# Altium PCB Copy of EXP_V111.PcbDoc (part 1 of 3)
Units mm, origin at the board's own origin, x right, y up, seen from the top; angles counter-clockwise.
Board outline 86 x 86 mm, 4 copper layers (Top Layer, Mid-Layer 1, Mid-Layer 2, Bottom Layer), stack 1.584 mm thick; 340 components, 283 nets, 1185 pads, 448 vias.
Unrouted connection lines stored in the file: 498.
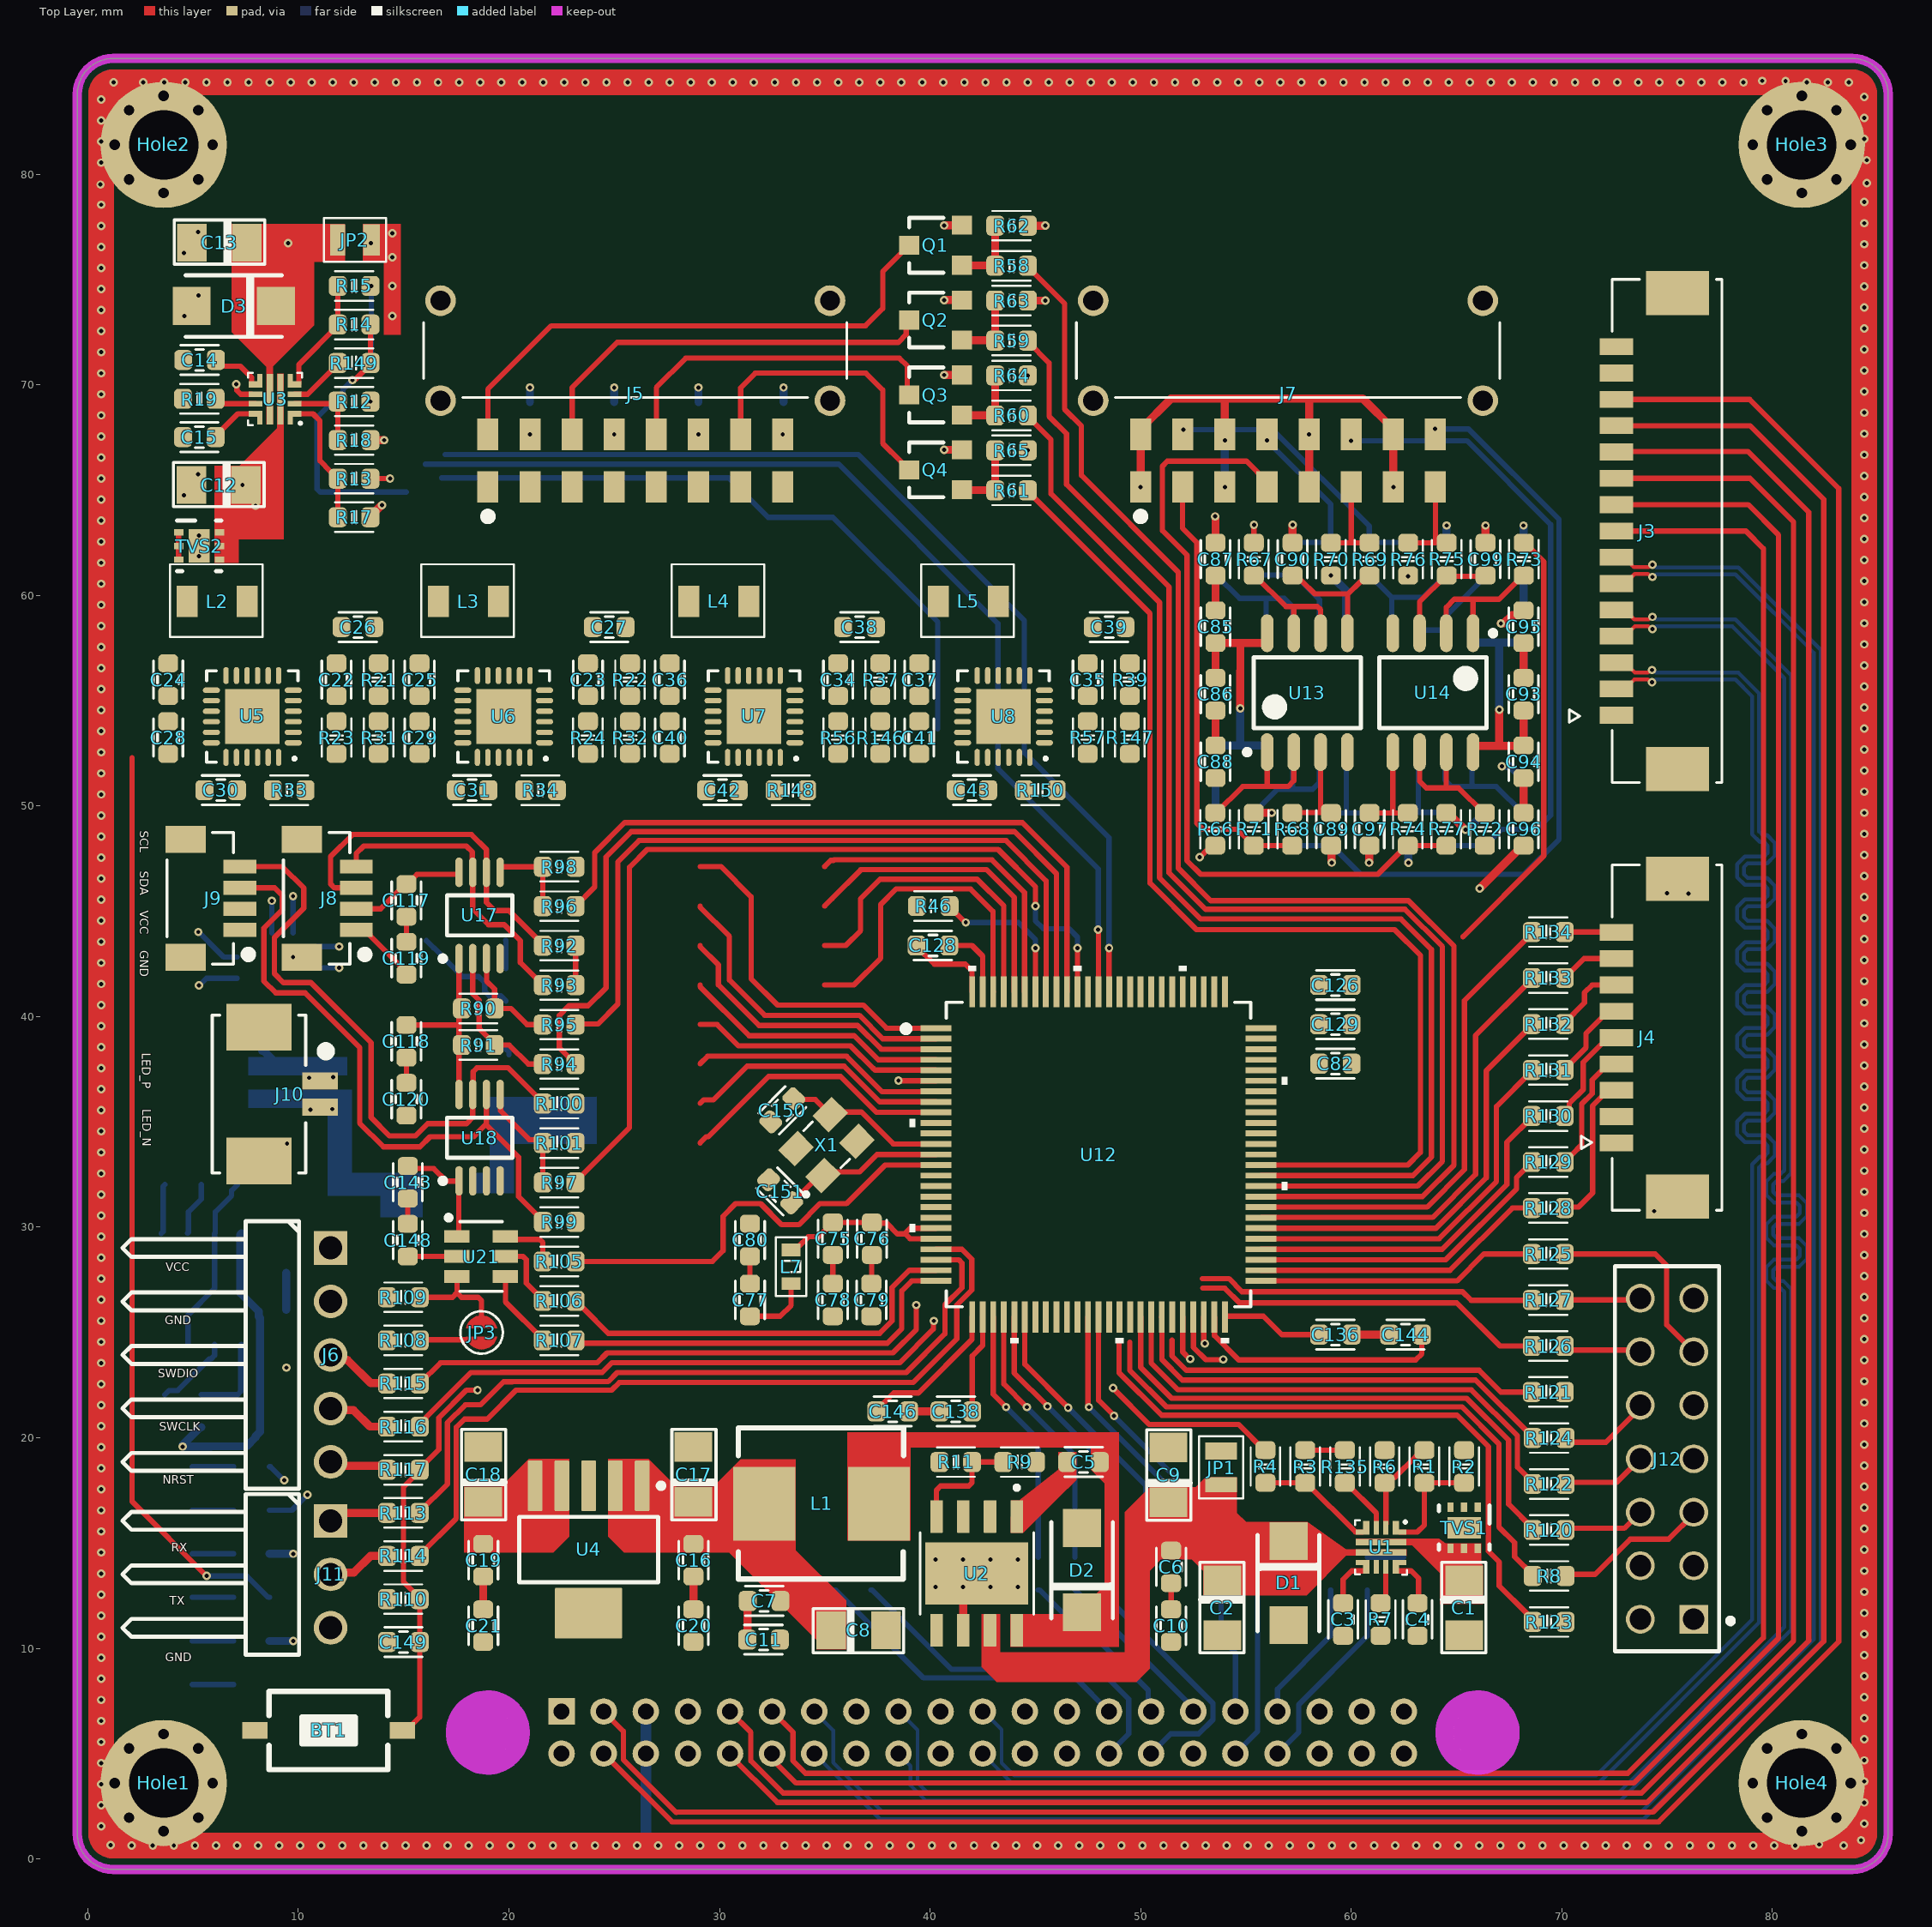
[diagram p0: Top Layer view]
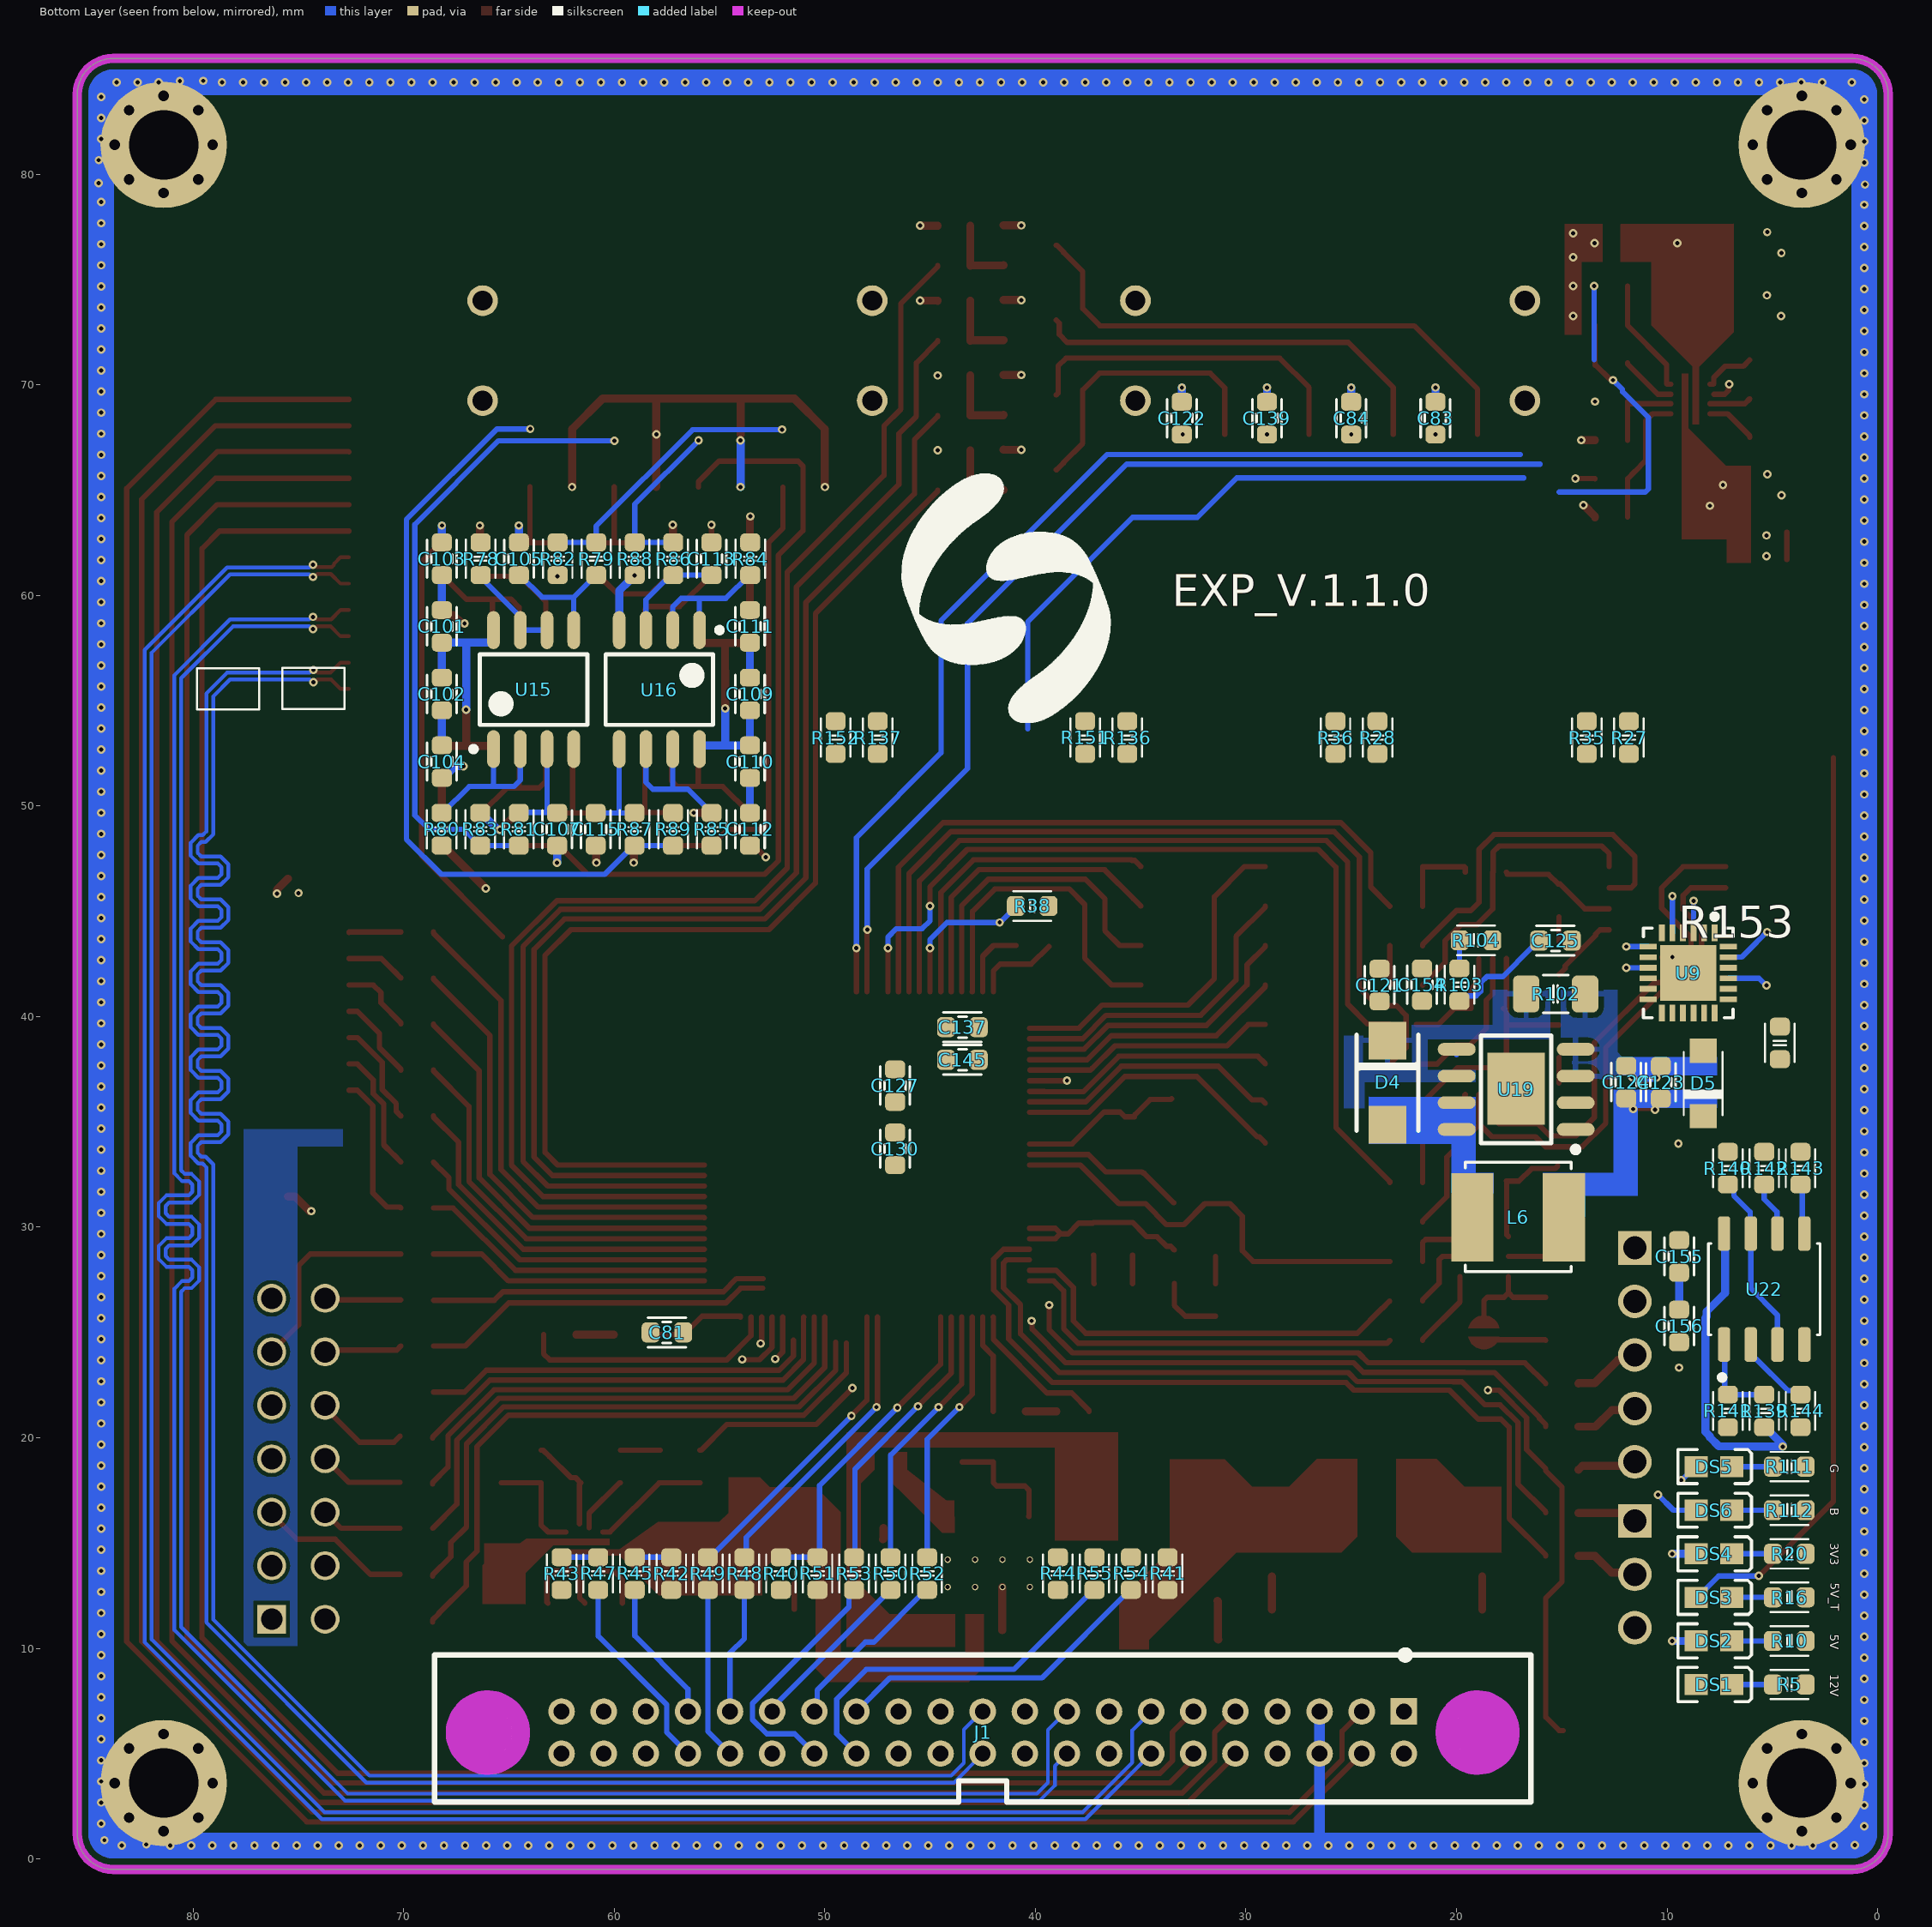
[diagram p1: Bottom Layer view, seen from below]
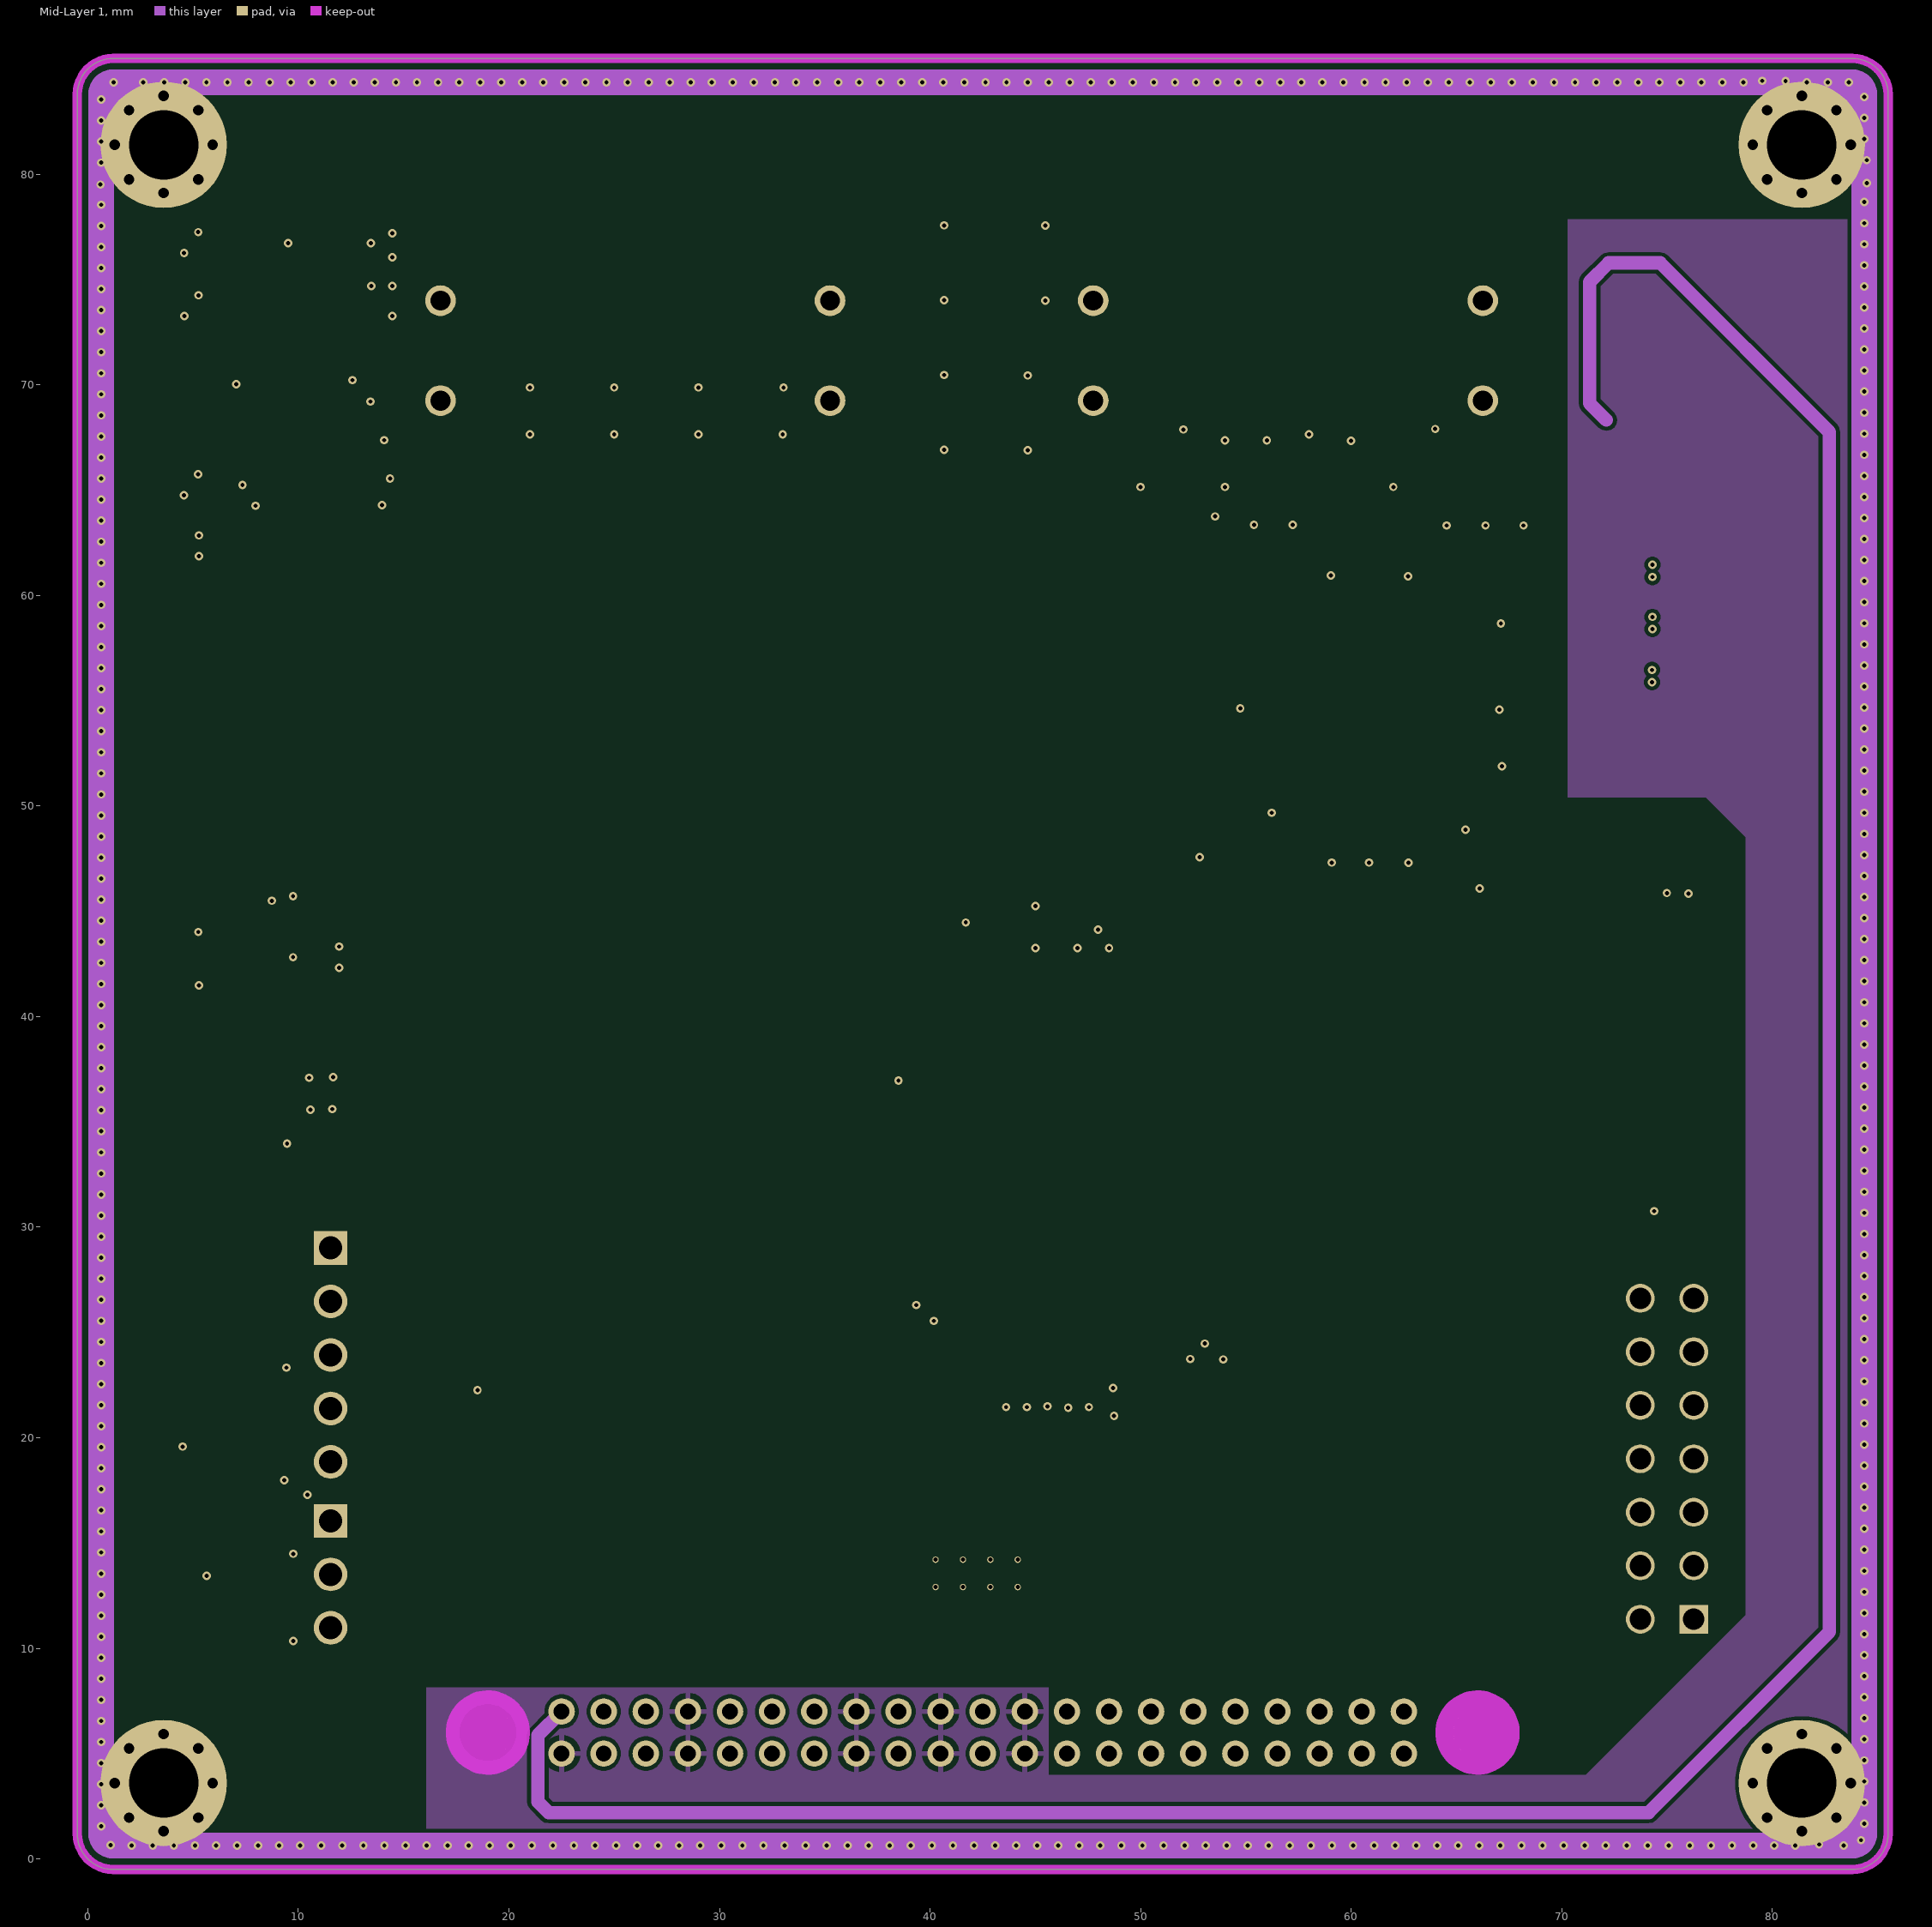
[diagram p2: Mid-Layer 1]
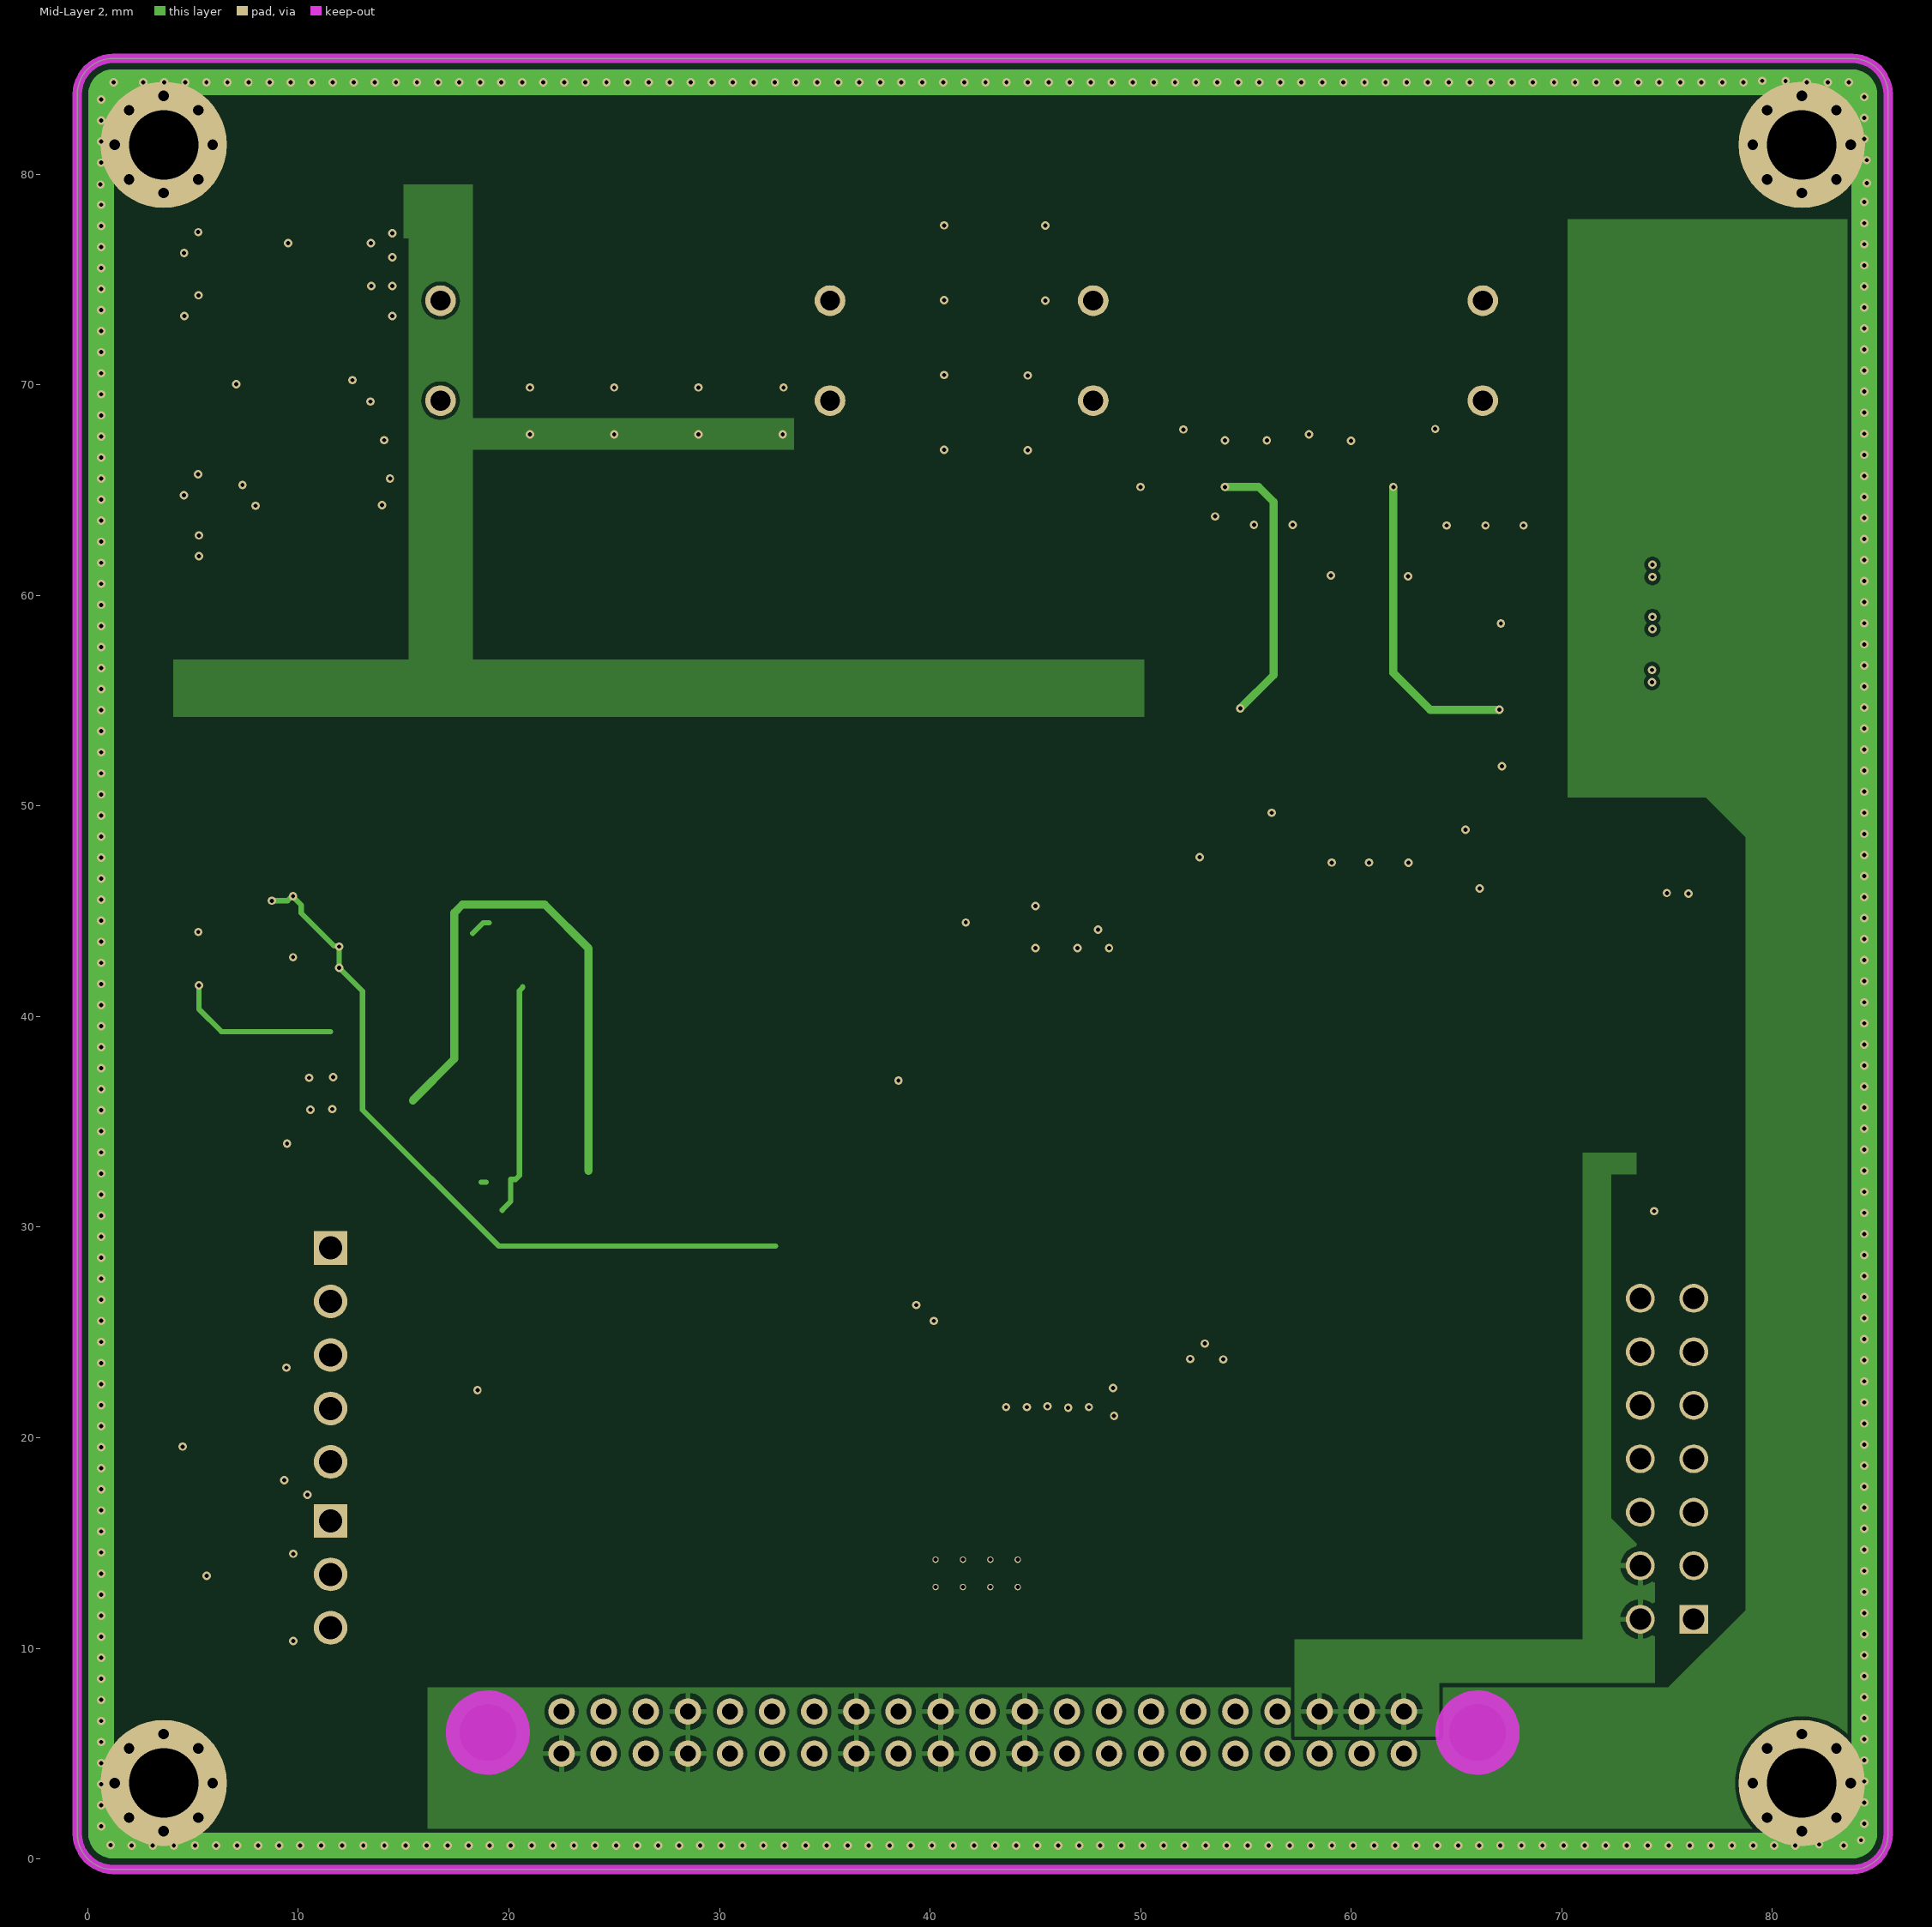
[diagram p3: Mid-Layer 2]

## Layer stack, top to bottom
Top Solder: solder mask 0.012, SM-002, Dk 4
Top Layer: signal copper 0.04
Dielectric 1: prepreg 0.2, PP-022, Dk 4.5
Mid-Layer 1: signal copper 0.032
Dielectric2: core 1.04, Core-042, Dk 4.6
Mid-Layer 2: signal copper 0.032
Dielectric3: prepreg 0.2, PP-022, Dk 4.5
Bottom Layer: signal copper 0.04
Bottom Solder: solder mask 0.012, SM-002, Dk 4

## Board outline
1.2,-0.5 cw(c1.2,1.2) -0.5,1.2 -0.5,83.8 cw(c1.2,83.8) 1.197,85.5 1.202,85.5 83.799,85.5 83.804,85.5 cw(c83.8,83.8) 85.5,83.803 85.5,83.798 85.5,1.2 cw(c83.8,1.2) 83.8,-0.5

## Design rules (kind name [scope] priority, off if disabled: settings)
Clearance [NOT InNet('PROTECT_EMI') and NOT OnLayer('Keep-Out Layer') vs not OnLayer('Keep-out Layer')] p1: gap=0.178 ignorepadtopadclearanceinfootprint=TRUE except(0.15: Arc-Arc Arc-Track Track-Track)
DiffPairsRouting [InDifferentialPairClass('DIF100')] p1: maxlimit=0.15 minlimit=0.127 mostfreqgap=0.15 toplayer_mingap=0.15 toplayer_minwidth=0.18 toplayer_maxwidth=0.18 toplayer_prefwidth=0.18 midlayer1_maxgap=0.127 midlayer1_prefgap=0.127 midlayer1_minwidth=0.071 midlayer1_maxwidth=0.071 midlayer1_prefwidth=0.071 midlayer2_maxgap=0.127 midlayer2_prefgap=0.127 midlayer2_minwidth=0.071 midlayer2_maxwidth=0.071 midlayer2_prefwidth=0.071 bottomlayer_mingap=0.15 bottomlayer_minwidth=0.18 bottomlayer_maxwidth=0.18 bottomlayer_prefwidth=0.18 impedanceprofiledriven=TRUE impedanceprofileid={F898C893-B88C-4CB9-82E4-B530A9EF1E47} impedanceprofilevalue=100.000000 maxuncoupledlength=12.7
HoleSize [All] p1: absolutevalues=TRUE maxlimit=4 minlimit=0.025 maxpercent=80.000 minpercent=20.000
Length [InNetClass('USB_DATA')] p1: maxlimit=10 minlimit=0 usedelayunits=TRUE mindelay=84.500000 maxdelay=84.500000
MatchedLengths MatchedLengths_1 [InDifferentialPairClass('DIF100')] p1: tolerance=25.4 checknetsindiffpair=FALSE checkdiffpairvsdiffpair=TRUE checkxsignals=TRUE checkothers=TRUE usedelayunits=TRUE delaytolerance=20.000000
MatchedLengths [InAnyDifferentialPair] p2: tolerance=25.4 checknetsindiffpair=TRUE checkdiffpairvsdiffpair=FALSE checkxsignals=FALSE checkothers=FALSE usedelayunits=TRUE delaytolerance=5.000000
MinimumSolderMaskSliver [All] p1: minsoldermaskwidth=0.14
PolygonConnect [All] p1: connectstyle=Relief reliefconductorwidth=0.254 reliefentries=4 polygonreliefangle="90 Angle" airgapwidth=0.254
RoutingVias [All] p1: holewidth=0.2 width=0.4 viastyle="Through Hole" minholewidth=0.2 minwidth=0.4 maxholewidth=0.2 maxwidth=0.4
SilkToSilkClearance [All] p1: silktosilkclearance=0.203
SilkToSolderMaskClearance [IsPad] p1: minsilkscreentomaskgap=0.1 clearancetoexposedcopper=TRUE
SolderMaskExpansion [All] p1: expansion=0.102 istentingtop=FALSE
SupplyNets "Schematic Supply Nets_7" [InNet('GND_CAM')] p1: voltage=0.000
SupplyNets "Schematic Supply Nets_6" [InNet('12V')] p2: voltage=0.000
SupplyNets "Schematic Supply Nets_5" [InNet('5V_TEMP')] p3: voltage=0.000
SupplyNets "Schematic Supply Nets_4" [InNet('5V')] p4: voltage=0.000
SupplyNets "Schematic Supply Nets_3" [InNet('GND')] p5: voltage=0.000
SupplyNets "Schematic Supply Nets_2" [InNet('5V_CAM')] p6: voltage=0.000
SupplyNets "Schematic Supply Nets_1" [InNet('12V_EXP')] p7: voltage=0.000
SupplyNets "Schematic Supply Nets" [InNet('+3.3')] p8: voltage=0.000
Width [All] p1: maxlimit=2 minlimit=0.254 preferedwidth=0.381
25 further rules are at their usual default settings.
